# Altium PCB DM1092.PcbDoc (part 4 of 5)
Units mm, origin at the board's own origin, x right, y up, seen from the top; angles counter-clockwise.
Board outline 60 x 51 mm, 6 copper layers (Layer 1, Layer 2, Layer 3, Layer 4, Layer 5, Layer 6), stack 1.599 mm thick; 254 components, 187 nets, 978 pads, 548 vias.
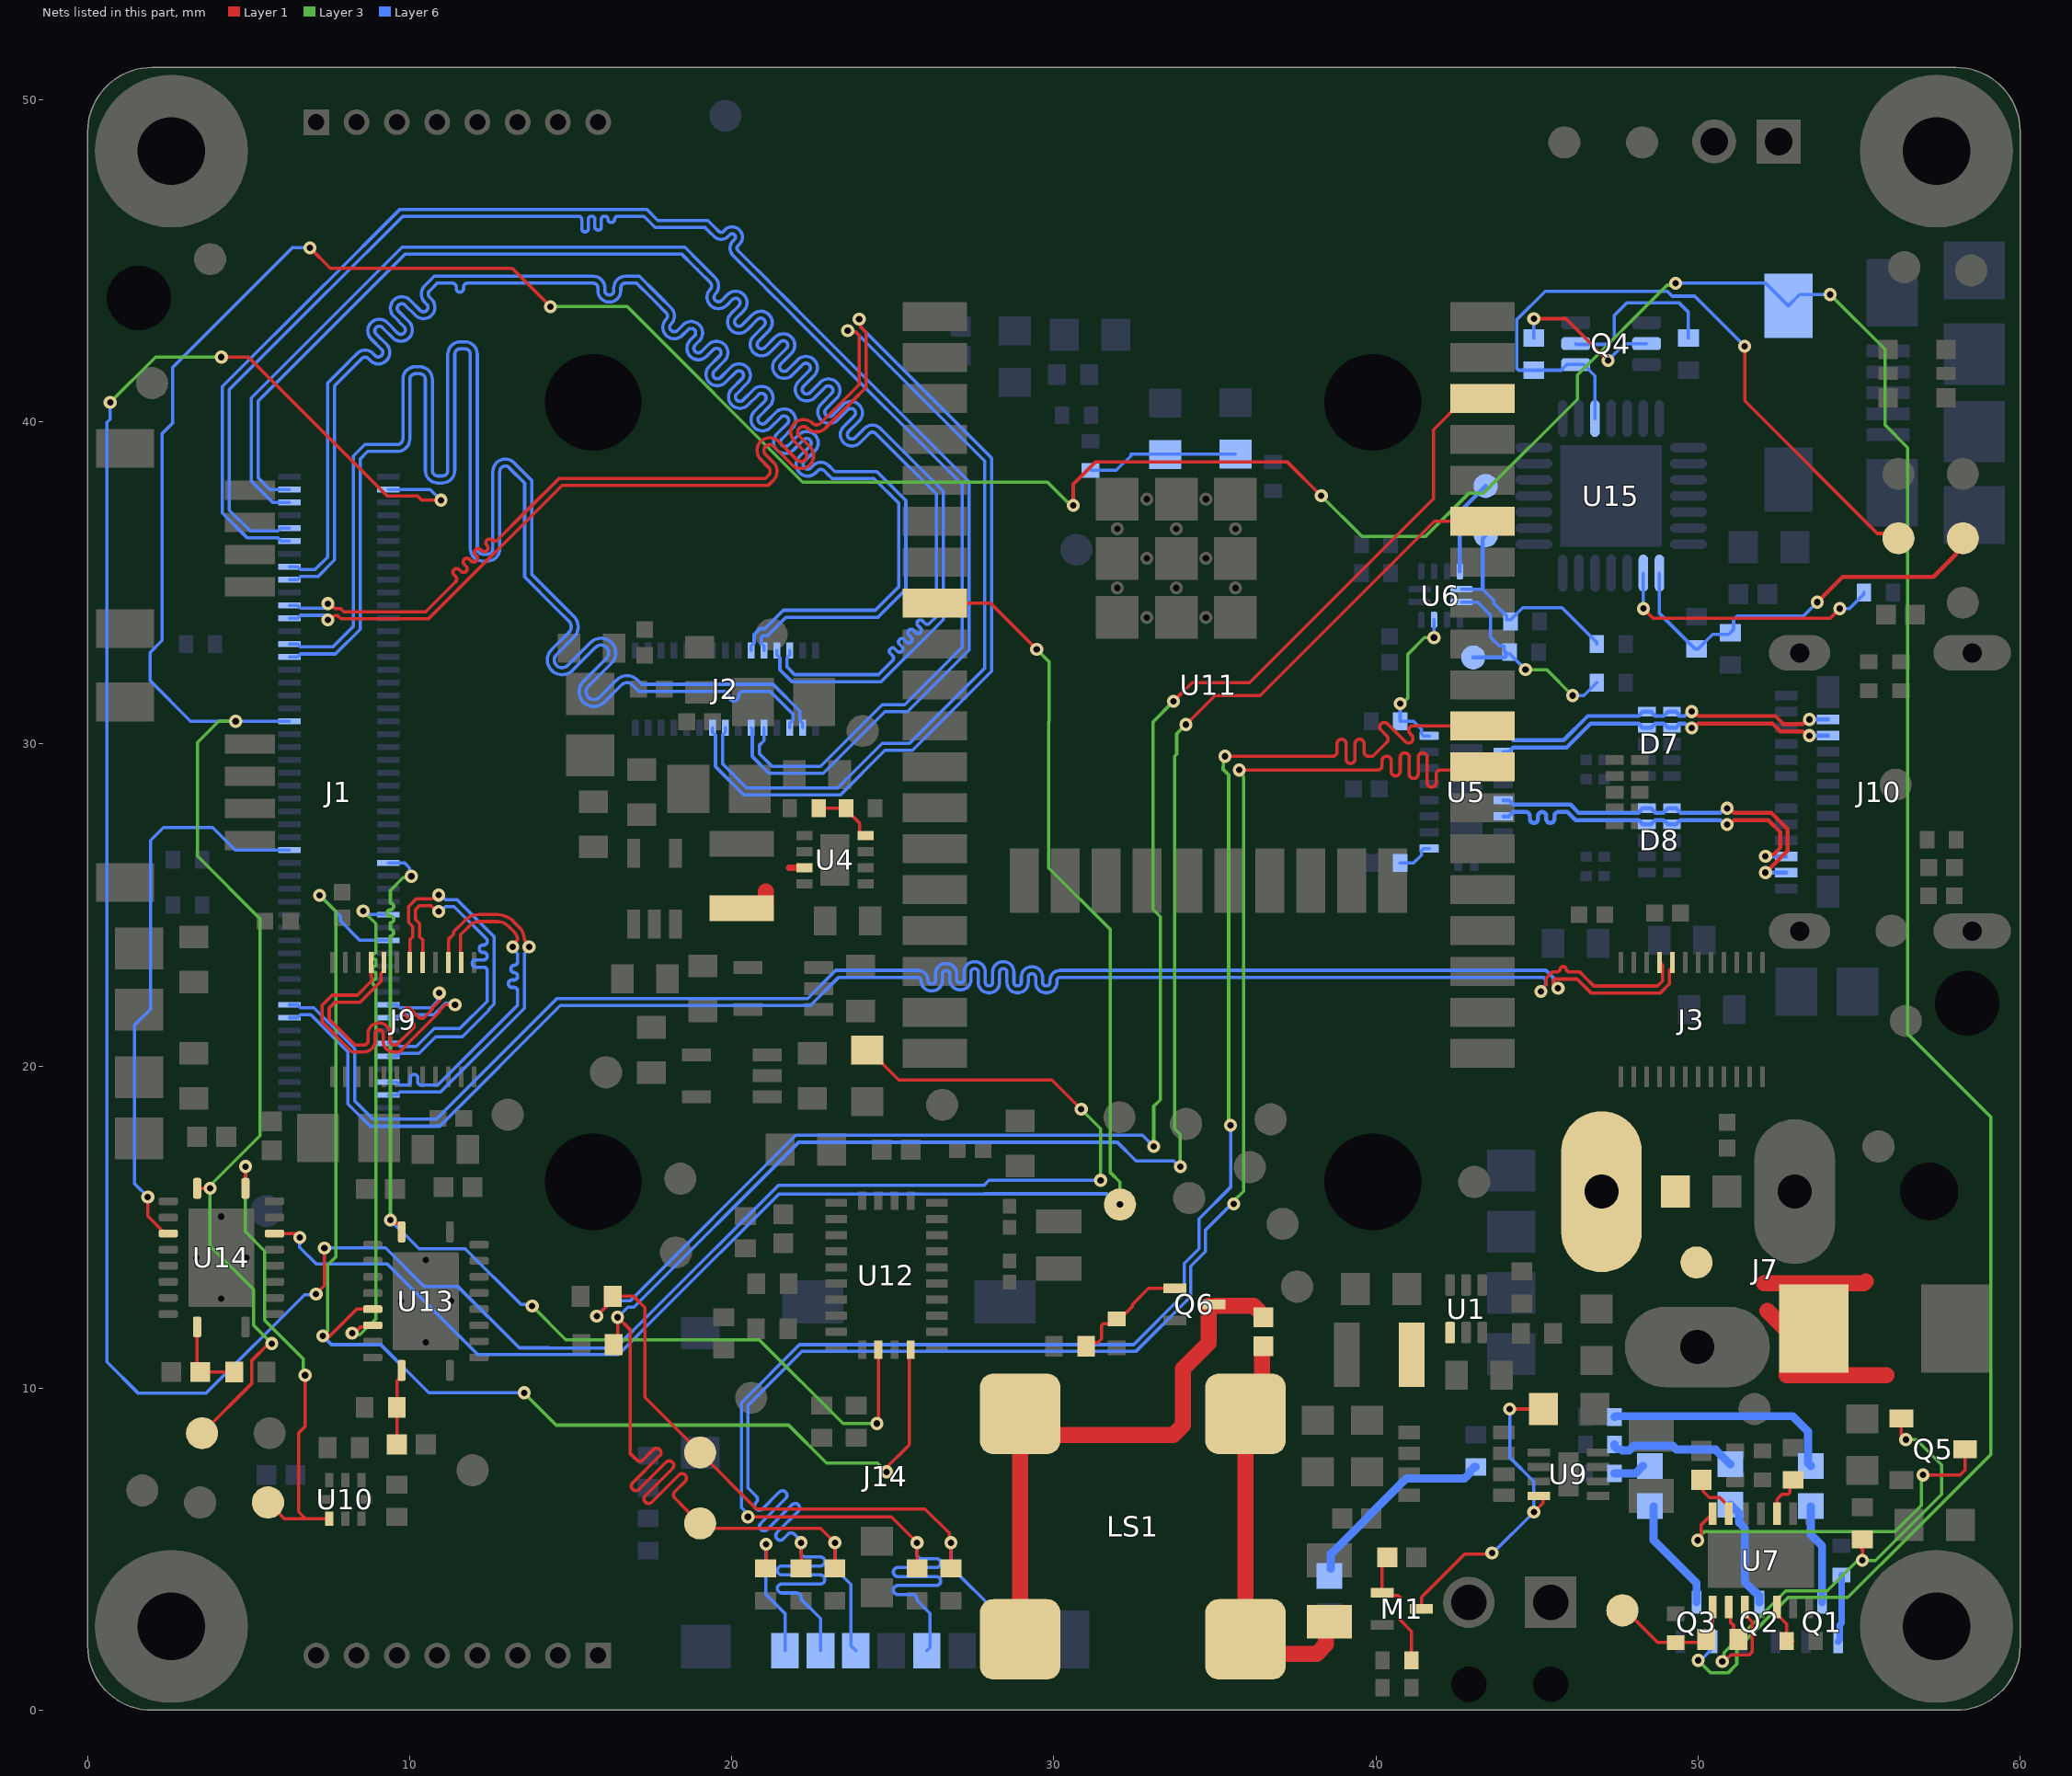
[diagram p8: the nets of this part, all layers, seen from the top]

## Via types
v1: diameter 0.406, hole 0.203, Layer 1 to Layer 6, tented both sides, 495 vias
v2: diameter 0.508, hole 0.254, Layer 1 to Layer 6, tented both sides, 29 vias
v3: diameter 0.508, hole 0.254, Layer 1 to Layer 6, tented top, 16 vias
v4: diameter 0.5, hole 0.2, Layer 1 to Layer 6, 6 vias
v5: diameter 0.406, hole 0.203, Layer 1 to Layer 6, tented bottom, 2 vias

## Nets (pads, with @x,y where several pads share a name; then routed paths per layer and width w, separated by ;. In a path a pad name is that pad's centre, name@x,y a point inside that pad or via, vN(x,y) a via of type N, cw(c..) or ccw(c..) an arc to the next point about the centre after c; other vN are vias at no path point) (continued)
MIPI_RX2_D1_N: J1.83 J3.5 | length 53.5
  Layer 1 w0.102: v1(45.652,22.414) 45.61,22.414 45.495,22.529 45.495,22.64 45.555,22.699 46.242,22.699 46.672,22.269 48.83,22.269 49.108,22.547 49.108,22.978 49.167,23.038 49.176,23.038 49.2,23.062 J3.5@49.2,23.213 J3.5@49.2,23.312
  Layer 6 w0.102: J1.83@6.26,21.9 6.52,21.9 6.612,21.808 7.018,21.808 8.294,20.532 8.294,18.916 8.864,18.346 10.247,18.346 10.822,18.346 14.568,22.092 22.353,22.092 23.231,22.97 24.384,22.97 25.772,22.97 cw(c25.772,22.651) 26.091,22.651 ccw(c26.194,22.651) 26.194,22.548 26.217,22.548 ccw(c26.217,22.651) 26.319,22.651 26.319,22.862 cw(c26.638,22.862) 26.638,23.181 26.661,23.181 cw(c26.661,22.862) 26.98,22.862 26.98,22.686 ccw(c27.083,22.686) 27.083,22.583 27.106,22.583 ccw(c27.106,22.686) 27.208,22.686 27.208,22.918 cw(c27.527,22.918) 27.527,23.237 27.55,23.237 cw(c27.55,22.918) 27.869,22.918 27.869,22.59 ccw(c27.972,22.59) 27.972,22.487 27.995,22.487 ccw(c27.995,22.59) 28.097,22.59 28.097,22.918 cw(c28.416,22.918) 28.416,23.237 28.439,23.237 cw(c28.439,22.918) 28.758,22.918 28.758,22.59 ccw(c28.861,22.59) 28.861,22.487 28.884,22.487 ccw(c28.884,22.59) 28.986,22.59 28.986,22.762 cw(c29.305,22.762) 29.305,23.081 29.328,23.081 cw(c29.328,22.762) 29.647,22.762 29.647,22.59 ccw(c29.75,22.59) 29.75,22.487 29.773,22.487 ccw(c29.773,22.59) 29.875,22.59 29.875,22.651 cw(c30.194,22.651) 30.194,22.97 30.353,22.97 45.277,22.97 45.492,22.755 45.492,22.626 45.652,22.465 v1(45.652,22.414)
MIPI_RX2_D1_P: J1.85 J3.4 | length 53.6
  Layer 1 w0.102: v1(45.122,22.317) 45.122,22.372 45.279,22.529 45.279,22.729 45.465,22.915 45.568,22.915 45.618,22.915 ccw(c45.59,23.049) 45.72,23.006 cw(c45.8,23.006) 45.8,23.086 45.818,23.086 cw(c45.818,23.006) 45.898,23.006 ccw(c46.026,23.052) 46.026,22.915 46.332,22.915 46.482,22.765 46.762,22.485 48.74,22.485 48.892,22.636 48.892,23.14 J3.4@48.8,23.232 ; J3.4@48.8,23.312 J3.4@48.8,23.232 ; J3.4@48.853,23.16 J3.4@48.8,23.213 J3.4@48.8,23.232
  Layer 6 w0.102: J1.85@6.26,21.5 6.52,21.5 6.612,21.592 6.929,21.592 8.078,20.443 8.078,18.827 8.774,18.13 10.336,18.13 10.929,18.13 14.675,21.876 22.442,21.876 23.32,22.754 24.384,22.754 25.772,22.754 cw(c25.772,22.651) 25.875,22.651 ccw(c26.194,22.651) 26.194,22.332 26.217,22.332 ccw(c26.217,22.651) 26.535,22.651 26.535,22.862 cw(c26.638,22.862) 26.638,22.965 26.661,22.965 cw(c26.661,22.862) 26.764,22.862 26.764,22.686 ccw(c27.083,22.686) 27.083,22.367 27.106,22.367 ccw(c27.106,22.686) 27.424,22.686 27.424,22.918 cw(c27.527,22.918) 27.527,23.021 27.55,23.021 cw(c27.55,22.918) 27.653,22.918 27.653,22.59 ccw(c27.972,22.59) 27.972,22.271 27.995,22.271 ccw(c27.995,22.59) 28.313,22.59 28.313,22.918 cw(c28.416,22.918) 28.416,23.021 28.439,23.021 cw(c28.439,22.918) 28.542,22.918 28.542,22.59 ccw(c28.861,22.59) 28.861,22.271 28.884,22.271 ccw(c28.884,22.59) 29.202,22.59 29.202,22.762 cw(c29.305,22.762) 29.305,22.865 29.328,22.865 cw(c29.328,22.762) 29.431,22.762 29.431,22.59 ccw(c29.75,22.59) 29.75,22.271 29.773,22.271 ccw(c29.773,22.59) 30.091,22.59 30.091,22.651 cw(c30.194,22.651) 30.194,22.754 30.353,22.754 44.837,22.754 45.188,22.754 45.276,22.666 45.276,22.529 45.122,22.375 v1(45.122,22.317)
MIPI_RX3_C_N: J1.96 J9.11 | length 11.2
  Layer 1 w0.102: J9.11@11.58,23.367 11.58,24.078 11.872,24.37 cw(c12.148,24.094) 12.148,24.484 12.713,24.484 cw(c12.713,23.995) 13.06,24.34 13.242,24.158 13.245,24.155 cw(c13,23.912) 13.341,23.967 cw(c13.241,23.951) 13.313,23.88 13.2,23.767 v1(13.2,23.7)
  Layer 6 w0.102: J1.96@9.34,19.5 9.6,19.5 9.692,19.408 9.864,19.408 9.915,19.408 ccw(c9.915,19.511) 10.017,19.511 10.017,19.636 cw(c10.12,19.636) 10.12,19.739 10.143,19.739 cw(c10.143,19.636) 10.246,19.636 10.246,19.511 ccw(c10.349,19.511) 10.349,19.408 10.767,19.408 10.868,19.408 13.345,21.885 13.345,22.288 13.345,22.338 ccw(c13.242,22.338) 13.242,22.441 13.167,22.441 cw(c13.167,22.544) 13.064,22.544 13.064,22.567 cw(c13.167,22.567) 13.167,22.67 13.242,22.67 ccw(c13.242,22.773) 13.345,22.773 13.345,22.796 ccw(c13.242,22.796) 13.242,22.898 cw(c13.242,23.001) 13.139,23.001 13.139,23.024 cw(c13.242,23.024) 13.242,23.127 ccw(c13.242,23.23) 13.345,23.23 13.345,23.488 13.2,23.633 v1(13.2,23.7)
MIPI_RX3_C_P: J1.98 J9.10 | length 11.4
  Layer 1 w0.102: J9.10@11.2,23.37 11.2,23.675 ; 11.2,23.8 11.2,23.675 ; v1(13.706,23.7) 13.706,23.767 13.589,23.884 cw(c13.661,23.955) 13.56,23.949 ccw(c13,23.912) 13.397,24.308 13.396,24.309 13.213,24.493 13.212,24.494 ccw(c12.713,23.995) 12.713,24.7 12.148,24.7 ccw(c12.148,24.094) 11.719,24.522 11.364,24.167 11.364,24.089 11.2,23.925 11.2,23.675
  Layer 6 w0.102: J1.98@9.34,19.1 9.6,19.1 9.692,19.192 10.957,19.192 13.561,21.796 13.561,22.779 13.561,23.488 13.706,23.633 v1(13.706,23.7)
MIPI_RX3_D0_N: J1.90 J9.8 | length 11.1
  Layer 1 w0.102: J9.8@10.4,23.347 10.4,23.925 10.376,23.949 10.367,23.949 10.308,24.009 10.308,24.42 10.175,24.553 10.175,24.855 10.29,24.97 10.663,24.97 10.833,24.8 v1(10.9,24.8)
  Layer 6 w0.102: J1.90@9.34,20.7 9.6,20.7 9.692,20.608 10.203,20.608 10.758,21.164 11.557,21.164 12.402,22.008 12.402,22.915 12.402,22.966 ccw(c12.299,22.966) 12.299,23.069 12.044,23.069 cw(c12.044,23.172) 11.941,23.172 11.941,23.195 cw(c12.044,23.195) 12.044,23.298 12.299,23.298 ccw(c12.299,23.4) 12.402,23.4 12.402,23.423 ccw(c12.299,23.423) 12.299,23.526 12.263,23.526 cw(c12.263,23.629) 12.161,23.629 12.161,23.652 cw(c12.263,23.652) 12.263,23.755 12.299,23.755 ccw(c12.299,23.858) 12.402,23.858 ; v1(10.9,24.8) 10.967,24.8 11.112,24.945 11.381,24.945 12.402,23.925 12.402,23.858 ; 12.402,23.827 12.402,23.858
MIPI_RX3_D0_P: J1.92 J9.7 | length 11.1
  Layer 1 w0.102: J9.7@10,23.312 10,23.925 10.024,23.949 10.033,23.949 10.092,24.009 10.092,24.331 9.959,24.464 9.959,24.944 10.201,25.186 10.697,25.186 10.818,25.306 v1(10.9,25.306)
  Layer 6 w0.102: J1.92@9.34,20.3 9.6,20.3 9.692,20.392 10.292,20.392 10.81,20.91 11.633,20.91 12.459,21.735 12.459,21.76 12.617,21.919 12.617,24.014 11.471,25.161 11.112,25.161 10.967,25.306 v1(10.9,25.306)
MIPI_RX3_D1_N: J1.84 J9.5 | length 11.3
  Layer 1 w0.102: J9.5@9.2,23.213 9.2,22.963 9.176,22.939 9.167,22.939 9.108,22.879 9.108,22.628 8.464,21.984 7.684,21.984 7.5,21.8 7.5,21.45 8.294,20.656 8.431,20.656 8.589,20.656 ccw(c8.589,20.77) 8.704,20.77 8.704,21.001 cw(c9.034,21.001) 9.034,21.331 9.059,21.331 cw(c9.059,21.001) 9.389,21.001 9.389,20.77 ccw(c9.504,20.77) 9.504,20.656 9.594,20.656 10.033,21.096 10.069,21.131 10.105,21.167 ccw(c10.024,21.248) 10.105,21.329 9.846,21.588 cw(c9.927,21.669) 9.846,21.75 9.864,21.767 cw(c9.945,21.687) 10.026,21.767 10.284,21.509 ccw(c10.365,21.589) 10.446,21.509 10.574,21.637 10.707,21.77 10.707,21.811 10.932,22.036 v1@10.932,22.078 ; v1@10.869,22.218 v1(10.917,22.266)
  Layer 6 w0.102: J1.84@9.34,21.9 9.6,21.9 9.692,21.808 10.659,21.808 10.867,22.016 10.867,22.217 v1(10.917,22.266)
MIPI_RX3_D1_P: J1.86 J9.4 | length 11.2
  Layer 1 w0.102: J9.4@8.8,22.963 8.8,22.8 8.823,22.778 8.823,22.648 8.375,22.2 7.595,22.2 7.284,21.889 7.284,21.361 8.204,20.44 8.431,20.44 8.589,20.44 ccw(c8.589,20.77) 8.92,20.77 8.92,21.001 cw(c9.034,21.001) 9.034,21.115 9.059,21.115 cw(c9.059,21.001) 9.174,21.001 9.174,20.77 ccw(c9.504,20.77) 9.504,20.44 9.683,20.44 10.033,20.79 10.923,21.681 10.923,21.722 11.106,21.904 11.377,21.904 v1@11.395,21.886 ; J9.4@8.8,22.963 J9.4@8.8,23.213
  Layer 6 w0.102: J1.86@9.34,21.5 9.6,21.5 9.692,21.592 10.325,21.592 10.749,21.592 11.1,21.944 v1@11.276,21.944
  other v1: 11.407,21.897
MIPI_RX4_C_N: J1.3 J2.28 | length 50.6
  Layer 6 w0.102: J1.3@6.26,37.9 5.65,37.9 5.3,38.25 5.3,40.65 9.85,45.2 18.45,45.2 18.841,44.809 18.954,44.696 ; 18.954,44.696 19.334,44.316 cw(c19.236,44.217) 19.335,44.118 ccw(c19.586,43.866) 19.335,43.615 ccw(c19.586,43.866) 19.838,43.616 20.017,43.794 ; 20.017,43.795 cw(c20.116,43.696) 20.215,43.795 ; 20.215,43.795 cw(c20.116,43.696) 20.215,43.597 19.973,43.355 ccw(c20.224,43.103) 19.972,42.852 ccw(c20.224,43.103) 20.476,42.852 20.798,43.174 ; 20.798,43.175 cw(c20.897,43.076) 20.995,43.175 ; 20.996,43.175 cw(c20.897,43.076) 20.996,42.977 20.673,42.655 ccw(c20.924,42.403) 20.673,42.151 ccw(c20.924,42.403) 21.176,42.152 21.498,42.474 cw(c21.598,42.376) 21.696,42.475 ; 21.696,42.276 21.374,41.954 ccw(c21.624,41.702) 21.373,41.451 ccw(c21.624,41.702) 21.876,41.451 22.199,41.774 ; 21.696,42.277 ccw(c21.598,42.376) 21.697,42.474 ; J2.28@21.8,32.9 21.8,32.76 21.708,32.668 21.708,32.392 21.95,32.15 24.142,32.15 24.55,32.15 24.602,32.202 24.992,32.592 ccw(c24.92,32.663) 24.992,32.735 24.912,32.815 cw(c24.977,32.879) 24.912,32.944 24.927,32.958 cw(c24.991,32.894) 25.056,32.958 25.142,32.872 ccw(c25.207,32.936) 25.272,32.872 25.286,32.886 ccw(c25.221,32.951) 25.286,33.015 25.2,33.102 cw(c25.264,33.167) 25.2,33.231 25.214,33.246 cw(c25.279,33.181) 25.343,33.246 25.43,33.159 ccw(c25.494,33.224) 25.559,33.159 25.573,33.173 ccw(c25.509,33.238) 25.573,33.303 25.487,33.389 cw(c25.552,33.454) 25.487,33.519 25.501,33.533 cw(c25.566,33.468) 25.631,33.533 25.717,33.446 ccw(c25.782,33.511) 25.846,33.446 25.861,33.461 ccw(c25.796,33.526) 25.861,33.59 25.774,33.677 cw(c25.839,33.741) 25.774,33.806 25.789,33.82 cw(c25.853,33.756) 25.918,33.82 25.997,33.741 ccw(c26.069,33.813) 26.141,33.741 26.35,33.95 26.35,34.387 26.35,37.749 24.574,39.524 24.463,39.636 ; 22.199,41.774 cw(c22.298,41.675) 22.396,41.775 ; 22.397,41.774 cw(c22.298,41.675) 22.397,41.576 22.074,41.254 ccw(c22.325,41.002) 22.074,40.75 ccw(c22.325,41.002) 22.577,40.751 22.899,41.073 cw(c22.998,40.975) 23.097,41.074 ; 23.097,40.876 22.774,40.553 ccw(c23.025,40.301) 22.774,40.05 ccw(c23.025,40.301) 23.277,40.05 23.6,40.373 ; 23.097,40.876 ccw(c22.998,40.975) 23.098,41.073 ; 23.6,40.373 cw(c23.699,40.274) 23.797,40.374 ; 23.797,40.175 23.475,39.853 ccw(c23.726,39.601) 23.474,39.349 ccw(c23.726,39.601) 23.978,39.35 24.264,39.636 ; 23.798,40.176 ccw(c23.699,40.274) 23.798,40.373 ; 24.265,39.637 cw(c24.363,39.538) 24.462,39.637
MIPI_RX4_C_P: J1.5 J2.27 | length 50.6
  Layer 6 w0.102: J1.5@6.26,37.5 5.745,37.5 5.084,38.161 5.084,40.739 9.761,45.416 18.539,45.416 18.994,44.961 19.106,44.849 19.487,44.469 cw(c19.236,44.217) 19.488,43.966 ; 19.487,43.768 cw(c19.586,43.866) 19.487,43.965 ; 19.488,43.767 ccw(c19.586,43.866) 19.685,43.768 ; 19.685,43.768 19.864,43.947 cw(c20.116,43.696) 20.368,43.948 cw(c20.116,43.696) 20.367,43.444 20.125,43.202 ; 20.124,43.005 cw(c20.224,43.103) 20.125,43.202 ; 20.125,43.004 ccw(c20.224,43.103) 20.322,43.004 ; 20.323,43.005 20.645,43.327 cw(c20.897,43.076) 21.149,43.328 cw(c20.897,43.076) 21.148,42.824 20.826,42.502 ; 20.826,42.304 ccw(c20.924,42.403) 21.023,42.304 ; 20.825,42.304 cw(c20.924,42.403) 20.825,42.501 ; 21.023,42.304 21.346,42.627 cw(c21.598,42.376) 21.849,42.627 cw(c21.598,42.376) 21.848,42.124 21.526,41.802 ; J2.27@21.4,32.9 21.4,32.76 21.492,32.668 21.492,32.303 21.861,31.934 24.639,31.934 26.566,33.861 26.566,37.838 24.727,39.677 24.615,39.789 ccw(c24.363,39.538) 24.111,39.789 23.825,39.503 cw(c23.726,39.601) 23.627,39.502 ; 21.525,41.604 cw(c21.624,41.702) 21.526,41.801 ; 21.526,41.603 ccw(c21.624,41.702) 21.723,41.603 ; 21.724,41.604 22.046,41.926 cw(c22.298,41.675) 22.549,41.927 cw(c22.298,41.675) 22.549,41.423 22.227,41.101 ; 22.227,40.903 ccw(c22.325,41.002) 22.424,40.903 ; 22.226,40.903 cw(c22.325,41.002) 22.226,41.101 ; 22.424,40.904 22.746,41.226 cw(c22.998,40.975) 23.25,41.226 cw(c22.998,40.975) 23.249,40.723 22.927,40.401 ; 22.926,40.203 cw(c23.025,40.301) 22.927,40.4 ; 22.927,40.202 ccw(c23.025,40.301) 23.124,40.203 ; 23.125,40.203 23.447,40.525 cw(c23.699,40.274) 23.95,40.526 cw(c23.699,40.274) 23.95,40.022 23.628,39.7 ; 23.627,39.502 cw(c23.726,39.601) 23.627,39.7
MIPI_RX4_D0_N: J1.9 J2.5 | length 50.6
  Layer 6 w0.102: J1.9@6.26,36.7 6,36.7 5.908,36.608 5.05,36.608 4.4,37.258 4.4,41 7.46,44.06 7.466,44.06 9.786,46.381 14.986,46.381 15.24,46.381 cw(c15.24,46.279) 15.342,46.279 15.342,45.989 ccw(c15.433,45.989) 15.433,45.898 15.453,45.898 ccw(c15.453,45.989) 15.545,45.989 15.545,46.289 cw(c15.636,46.289) 15.636,46.381 15.657,46.381 cw(c15.657,46.289) 15.748,46.289 15.748,46.043 ccw(c15.839,46.043) 15.839,45.952 15.86,45.952 ccw(c15.86,46.043) 15.951,46.043 15.951,46.289 cw(c16.043,46.289) 16.043,46.381 16.063,46.381 cw(c16.063,46.289) 16.154,46.289 16.154,46.279 ccw(c16.246,46.279) 16.246,46.187 16.266,46.187 ccw(c16.266,46.279) 16.358,46.279 cw(c16.459,46.279) 16.459,46.381 16.891,46.381 17.269,46.381 17.616,46.034 19.166,46.034 19.33,45.87 19.441,45.759 ; 19.442,45.758 ccw(c19.667,45.982) 19.891,45.758 19.943,45.81 ; 19.944,45.81 cw(c20.008,45.746) 20.073,45.81 ; 20.073,45.81 20.087,45.796 ; 20.087,45.666 20.035,45.614 ccw(c20.259,45.39) 20.035,45.165 20.586,44.614 ; 20.087,45.667 ccw(c20.023,45.731) 20.087,45.796 ; 20.586,44.614 20.699,44.501 21.342,43.858 21.395,43.805 22.363,42.837 ; J2.5@21,30.5 20.998,30.498 20.998,30.098 20.85,29.95 20.85,29.7 21.25,29.3 22.75,29.3 24.663,31.213 25.363,31.213 27.15,33 27.15,38.05 22.475,42.725 22.363,42.837
MIPI_RX4_D0_P: J1.11 J2.6 | length 50.6
  Layer 6 w0.102: J1.11@6.26,36.3 6,36.3 5.908,36.392 4.961,36.392 4.184,37.169 4.184,41.089 7.37,44.276 7.376,44.276 9.697,46.596 17.359,46.596 17.705,46.25 19.255,46.25 19.483,46.023 19.594,45.911 ccw(c19.667,45.982) 19.739,45.911 ; 19.739,45.911 19.79,45.962 cw(c20.008,45.746) 20.226,45.962 20.239,45.949 cw(c20.023,45.731) 20.239,45.513 20.188,45.462 ccw(c20.259,45.39) 20.188,45.318 20.739,44.766 20.851,44.654 21.495,44.011 21.549,43.957 22.515,42.99 22.628,42.878 27.366,38.139 27.366,32.911 25.453,30.997 24.753,30.997 22.839,29.084 21.161,29.084 20.634,29.611 20.634,30.466 J2.6@20.6,30.5
MIPI_RX4_D1_N: J1.15 J2.26 | length 50.7
  Layer 6 w0.102: J1.15@6.26,35.5 6.52,35.5 6.612,35.408 7.058,35.408 7.447,35.797 7.447,41.203 8.056,41.811 8.168,41.923 8.36,42.116 cw(c8.612,41.865) 8.864,42.116 8.926,42.054 ; 8.927,42.053 ccw(c9.026,42.152) 9.124,42.053 ; 9.124,42.251 cw(c9.026,42.152) 9.125,42.054 ; 9.124,42.252 8.802,42.574 cw(c9.052,42.826) 8.801,43.077 cw(c9.052,42.826) 9.304,43.077 9.627,42.754 ; 9.627,42.754 ccw(c9.726,42.853) 9.824,42.753 ccw(c9.726,42.853) 9.825,42.951 9.502,43.274 cw(c9.753,43.526) 9.501,43.778 cw(c9.753,43.526) 10.005,43.777 10.327,43.455 ; 10.328,43.454 ccw(c10.426,43.553) 10.525,43.454 ; 10.525,43.652 10.463,43.714 cw(c10.714,43.966) 10.463,44.218 10.575,44.33 10.761,44.516 14.872,44.516 15.701,44.516 cw(c15.701,44.16) 16.056,44.16 16.056,44.071 ccw(c16.196,44.071) 16.336,44.071 16.336,44.16 cw(c16.691,44.16) 16.691,44.516 16.85,44.516 17.134,44.516 17.652,43.998 17.764,43.886 ; 10.526,43.455 ccw(c10.426,43.553) 10.525,43.652 ; 17.764,43.886 18.113,43.537 cw(c17.862,43.285) 18.114,43.034 ccw(c18.213,42.934) 18.113,42.836 ; 18.114,42.835 ccw(c18.213,42.934) 18.311,42.836 ; 18.312,42.836 18.486,43.01 cw(c18.738,42.759) 18.989,43.011 cw(c18.738,42.759) 18.989,42.507 18.862,42.38 ; 18.861,42.183 cw(c18.96,42.281) 18.861,42.38 ; 18.862,42.182 ccw(c18.96,42.281) 19.059,42.182 19.272,42.395 cw(c19.524,42.144) 19.775,42.396 cw(c19.524,42.144) 19.775,41.892 19.452,41.57 ; 19.452,41.372 cw(c19.551,41.471) 19.452,41.57 ; 19.452,41.372 ccw(c19.551,41.471) 19.649,41.372 19.972,41.695 cw(c20.224,41.444) 20.476,41.695 cw(c20.224,41.444) 20.475,41.192 20.153,40.87 ccw(c20.251,40.77) 20.152,40.672 ; 20.153,40.671 ccw(c20.251,40.77) 20.35,40.671 ; 20.35,40.672 20.673,40.994 cw(c20.925,40.743) 21.176,40.995 cw(c20.925,40.743) 21.176,40.491 20.853,40.169 ; 20.852,39.971 cw(c20.952,40.07) 20.853,40.169 ; 20.853,39.971 ccw(c20.952,40.07) 21.05,39.971 ; J2.26@21,32.9 21,33.04 20.908,33.132 20.908,33.302 20.967,33.362 21.112,33.362 21.683,33.933 24.539,33.933 25.403,34.797 25.403,37.553 24.503,38.453 23.197,38.453 23.129,38.521 23.018,38.632 ccw(c22.766,38.382) 22.514,38.632 22.452,38.571 ; 21.051,39.972 21.373,40.294 cw(c21.625,40.043) 21.877,40.294 cw(c21.625,40.043) 21.876,39.791 21.554,39.469 ccw(c21.652,39.369) 21.553,39.271 ; 21.554,39.27 ccw(c21.652,39.369) 21.751,39.271 ; 21.751,39.271 22.074,39.593 cw(c22.326,39.342) 22.577,39.594 cw(c22.326,39.342) 22.576,39.09 22.254,38.768 ; 22.253,38.57 cw(c22.352,38.669) 22.254,38.768 ; 22.254,38.57 ccw(c22.352,38.669) 22.451,38.57
MIPI_RX4_D1_P: J1.17 J2.25 | length 50.7
  Layer 6 w0.102: J1.17@6.26,35.1 6.52,35.1 6.612,35.192 7.147,35.192 7.663,35.708 7.663,41.113 8.32,41.77 ; 8.321,41.771 8.513,41.963 ; 8.514,41.964 cw(c8.612,41.865) 8.711,41.964 ; 8.712,41.963 8.774,41.901 ccw(c9.026,42.152) 9.277,41.901 ccw(c9.026,42.152) 9.276,42.404 8.954,42.727 cw(c9.052,42.826) 8.953,42.924 ; 8.954,42.925 cw(c9.052,42.826) 9.151,42.925 9.474,42.602 ccw(c9.726,42.853) 9.977,42.601 ccw(c9.726,42.853) 9.977,43.105 9.655,43.427 ; 9.654,43.428 cw(c9.753,43.526) 9.654,43.625 ; 9.655,43.625 cw(c9.753,43.526) 9.852,43.625 ; 9.852,43.624 10.174,43.302 ccw(c10.426,43.553) 10.678,43.302 ccw(c10.426,43.553) 10.677,43.805 10.615,43.867 ; 10.615,43.868 cw(c10.714,43.966) 10.615,44.065 ; 10.616,44.066 10.85,44.3 11.049,44.3 11.328,44.3 cw(c11.328,44.186) 11.443,44.186 11.443,44.137 ccw(c11.557,44.137) 11.671,44.137 11.671,44.186 cw(c11.786,44.186) 11.786,44.3 13.903,44.3 15.701,44.3 cw(c15.701,44.16) 15.84,44.16 15.84,44.071 ccw(c16.196,44.071) 16.552,44.071 16.552,44.16 cw(c16.691,44.16) 16.691,44.3 17.045,44.3 17.499,43.846 17.611,43.734 17.961,43.384 ; 17.961,43.185 ccw(c18.213,42.934) 17.961,42.683 ccw(c18.213,42.934) 18.465,42.684 18.639,42.858 ; 17.962,43.186 ccw(c17.862,43.285) 17.961,43.384 ; 18.639,42.858 cw(c18.738,42.759) 18.836,42.859 ; 18.836,42.66 18.709,42.533 ccw(c18.96,42.281) 18.709,42.029 ccw(c18.96,42.281) 19.212,42.03 19.424,42.242 ; 18.837,42.661 ccw(c18.738,42.759) 18.837,42.858 ; 19.425,42.243 cw(c19.524,42.144) 19.622,42.243 ; 19.622,42.045 19.3,41.723 ccw(c19.551,41.471) 19.299,41.219 ccw(c19.551,41.471) 19.803,41.22 20.125,41.542 ; 19.623,42.045 ccw(c19.524,42.144) 19.623,42.243 ; 20.125,41.543 cw(c20.224,41.444) 20.323,41.543 ; 20.322,41.344 20,41.022 ccw(c20.251,40.77) 20,40.519 ccw(c20.251,40.77) 20.503,40.519 20.825,40.842 ; 20.323,41.345 ccw(c20.224,41.444) 20.323,41.542 ; J2.25@20.6,32.9 20.6,33.04 20.692,33.132 20.692,33.392 20.878,33.578 21.022,33.578 21.594,34.149 24.449,34.149 25.187,34.887 25.187,37.463 24.413,38.237 23.108,38.237 22.977,38.368 22.865,38.48 ; 20.826,40.842 cw(c20.925,40.743) 21.023,40.843 ; 21.023,40.644 20.701,40.322 ccw(c20.952,40.07) 20.7,39.818 ccw(c20.952,40.07) 21.204,39.819 21.526,40.141 ; 21.023,40.645 ccw(c20.925,40.743) 21.024,40.842 ; 21.526,40.142 cw(c21.625,40.043) 21.723,40.142 ; 21.723,39.944 21.401,39.621 ccw(c21.652,39.369) 21.401,39.118 ccw(c21.652,39.369) 21.904,39.118 22.226,39.441 ; 21.724,39.944 ccw(c21.625,40.043) 21.724,40.141 ; 22.227,39.441 cw(c22.326,39.342) 22.424,39.442 ; 22.425,39.441 cw(c22.326,39.342) 22.424,39.244 22.102,38.921 ccw(c22.352,38.669) 22.101,38.417 ccw(c22.352,38.669) 22.604,38.418 22.666,38.48 ; 22.667,38.48 cw(c22.766,38.382) 22.864,38.481